# Altium PCB 控制板.PcbDoc (part 10 of 12)
Units mil, origin at the board's own origin, x right, y up, seen from the top; angles counter-clockwise.
Board outline 8150.4 x 2246.9 mil, 6 copper layers (TopLayer, MidLayer1, MidLayer2, MidLayer3, MidLayer4, BottomLayer); 1570 components, 853 nets, 4888 pads, 1859 vias.
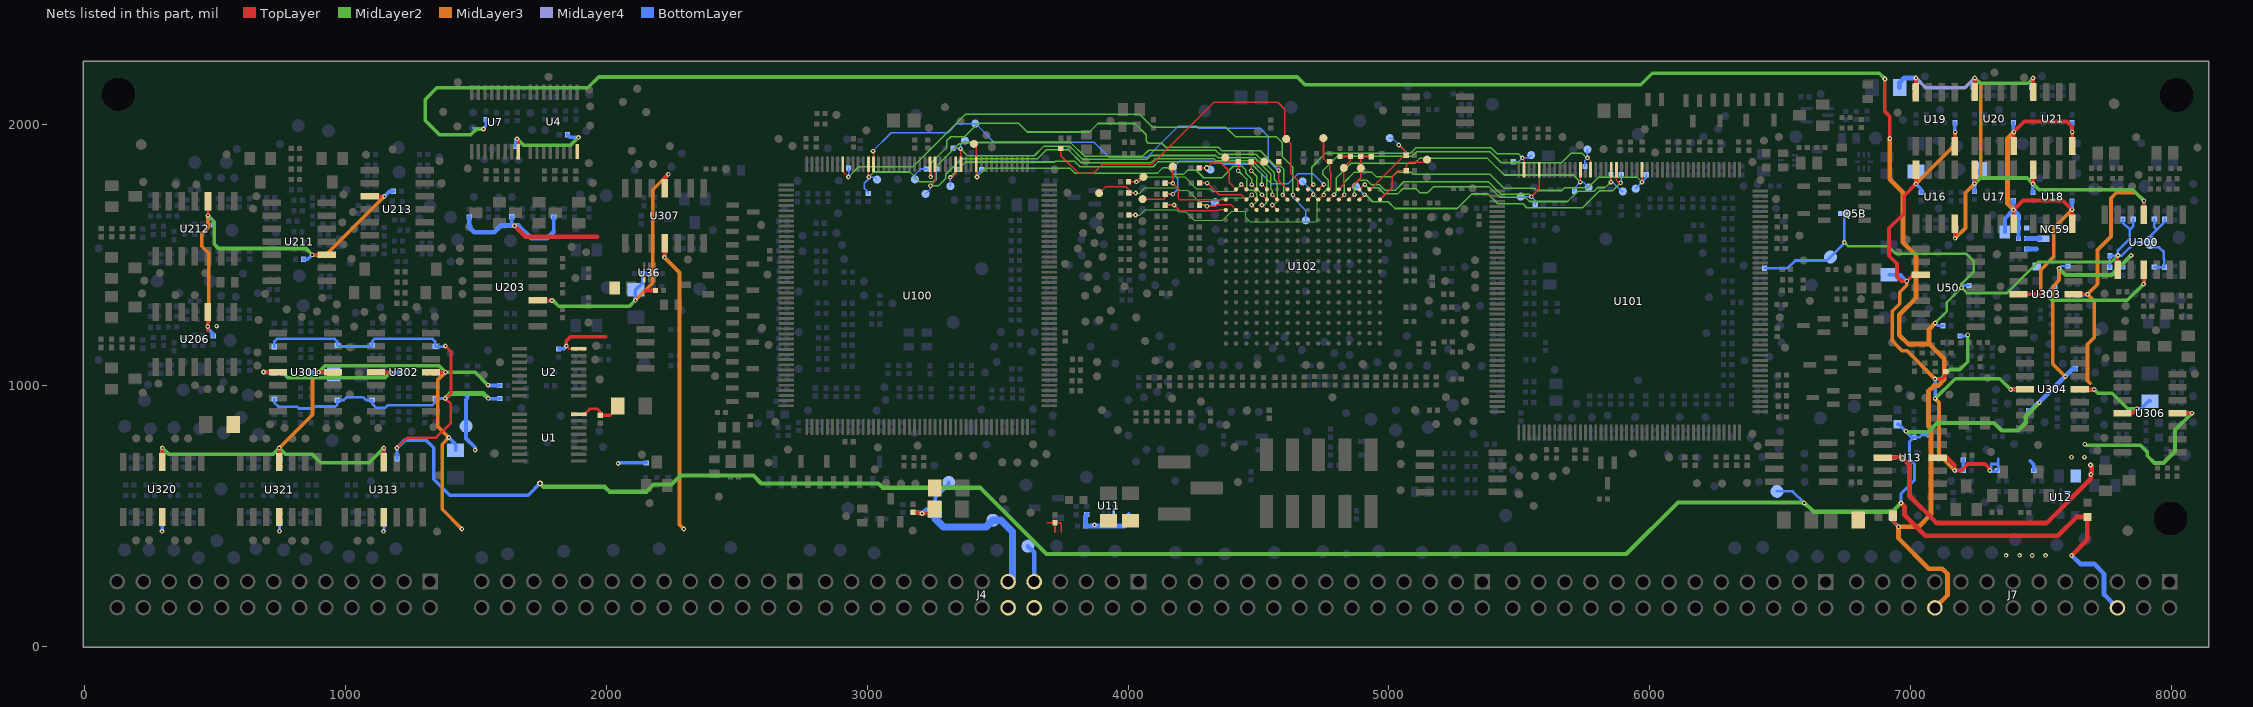
[diagram p14: the nets of this part, all layers, seen from the top]

## Via types
v1: diameter 18, hole 8, TopLayer to BottomLayer, tented both sides, 1737 vias
v2: diameter 20, hole 12, TopLayer to BottomLayer, tented both sides, 71 vias
v3: diameter 22, hole 12, TopLayer to BottomLayer, tented both sides, 51 vias

## Nets (pads, with @x,y where several pads share a name; then routed paths per layer and width w, separated by ;. In a path a pad name is that pad's centre, name@x,y a point inside that pad or via, vN(x,y) a via of type N, cw(c..) or ccw(c..) an arc to the next point about the centre after c; other vN are vias at no path point) (continued)
U102-P11_0: pad.88@3037.8,1789.6 R579.1 U100.164 U102.P11 | length 2061.1
  TopLayer w6: U100.164@3004.62,1848.5 3004.62,1800.68 v1(3006.1,1799.2) ; v1(4552.8,1692.1) U102.P11@4571.8,1673.31
  MidLayer2 w6: v1(3006.1,1799.2) 3025.7,1818.8 3163.6,1818.8 3200.3,1782.1 3252.7,1782.1 3263.6,1793 3263.6,1839.2 3350.5,1926.1 3360.9,1926.1 3366.7,1931.9 3779.5,1931.9 3831.8,1879.6 4056.9,1879.6 4079.4,1902.1 4334.9,1902.1 4350.3,1886.7 4490.7,1886.7 4560.3,1817.1 4560.3,1790.8 4571.5,1779.6 4571.5,1705.8 4557.8,1692.1 v1(4552.8,1692.1)
  BottomLayer w6: R579.1@3003.6,1736.7 3003.6,1741.8 2989,1756.4 2989,1775.5 3006.1,1792.6 v1(3006.1,1799.2) 3028.2,1799.2 pad.88@3037.8,1789.6
U102-P12_0: pad.84@3223.8,1734.6 R531.2 U100.151 U102.P12 | length 1767.4
  TopLayer w6: v1(3242.4,1765.9) 3260.52,1784.02 U100.151@3260.52,1848.5 ; v1(4513,1692.3) U102.P12@4532.43,1673.31
  MidLayer2 w6: v1(3242.4,1765.9) 3273.6,1765.9 3301.5,1793.8 3301.5,1810.4 3360.1,1869 3651.9,1869 3686.3,1903.4 3771.5,1903.4 3820.9,1854 4088.3,1854 4103.3,1869 4330.7,1869 4337.4,1862.3 4477.6,1862.3 4531.1,1808.8 4531.1,1700.4 4523,1692.3 v1(4513,1692.3)
  BottomLayer w6: pad.84@3223.8,1734.6 3242.4,1753.2 v1(3242.4,1765.9) 3264,1787.5 3264,1825.9 R531.2@3267.8,1829.7
U102-P13_0: pad.196@4372.8,1874.2 R128.2 U102.P13 | length 299.2
  TopLayer w6: pad.196@4372.8,1874.2 4389.2,1857.8 R128.2@4422.4,1857.8 4422.6,1857.6 v1(4422.6,1823.6) ; v1(4473.8,1691.9) U102.P13@4493.06,1673.31
  MidLayer2 w6: v1(4422.6,1823.6) 4454.4,1791.8 4454.4,1758.2 4464,1748.6 4481.1,1748.6 4492.8,1736.9 4492.8,1705.7 4479,1691.9 v1(4473.8,1691.9)
U102-P15_0: C301.2 pad.150@4333.6,1703.6 R132.2 U102.P15 | length 221.1
  TopLayer w6: R132.2@4273.6,1691.5 4298.4,1691.5 4303.2,1686.7 4334.1,1686.7 4340.4,1693 4394.63,1693 U102.P15@4414.32,1673.31
  BottomLayer w6: C301.2@4274.4,1691.3 4298.6,1691.3 v1(4302.6,1687.3) 4317.3,1687.3 pad.150@4333.6,1703.6
U102-P16_0: C311.2 R141.2 U102.P16 | length 276.9
  TopLayer w6: R141.2@4141.7,1691.5 4177.5,1691.5 4199,1670 4346.9,1670 4350.21,1673.31 U102.P16@4374.95,1673.31
  BottomLayer w6: C311.2@4143.3,1691.9 v1(4176.7,1691.9)
U102-R1_0: pad.204@5146.5,1865.9 R65.2 U102.R1 | length 280.7
  TopLayer w6: U102.R1@4965.5,1712.68 5013,1760.18 5013,1801.1 5035.7,1823.8 R65.2@5066.6,1823.8 5066.3,1824.1 5066.3,1844 5079,1856.7 5137.3,1856.7 pad.204@5146.5,1865.9
U102-R3_0: pad.181@4873.6,1763.8 R399.2 U101.69 U102.R3 | length 1254.5
  TopLayer w6: U102.R3@4886.76,1712.68 v1(4907.4,1731.7) ; U101.69@5872.16,1827.6 5872.16,1788.34 5883,1777.5 v1(5888.6,1777.5)
  MidLayer2 w6: v1(4907.4,1731.7) 4911.3,1731.7 4938.2,1704.8 4997.6,1704.8 5023.6,1678.8 5262,1678.8 5317.6,1734.4 5380.5,1734.4 5417.8,1697.1 5514.1,1697.1 5529.1,1682.1 5742.8,1682.1 5807,1746.3 5856.9,1746.3 5888.1,1777.5 v1(5888.6,1777.5)
  BottomLayer w6: pad.181@4873.6,1763.8 4905.7,1731.7 v1(4907.4,1731.7) ; v1(5888.6,1777.5) 5891.3,1780.2 R399.2@5891.3,1808.2
U102-R4_0: pad.167@5505.7,1724.2 R410.1 U101.84 U102.R4 | length 997.2
  TopLayer w6: U102.R4@4847.39,1712.68 v1(4868,1731.7) ; v1(5546.3,1723.8) 5576.88,1754.38 U101.84@5576.88,1827.6
  MidLayer2 w6: v1(4868,1731.7) 4868,1769.3 4885.4,1786.7 4916.5,1786.7 4933.2,1770 4964,1770 4984.8,1749.2 5025.2,1749.2 5057.3,1781.3 5382,1781.3 5429.9,1733.4 5537.4,1733.4 5546.3,1724.5 v1(5546.3,1723.8)
  BottomLayer w6: pad.167@5505.7,1724.2 5545.9,1724.2 5561.1,1709 R410.1@5561.1,1694.2
U102-R5_0: pad.170@5946.5,1754.6 R397.2 U101.64 U102.R5 | length 1424.9
  TopLayer w6: U102.R5@4808.02,1712.68 v1(4829.2,1731.5) ; v1(5970.5,1780) 5970.58,1780.08 U101.64@5970.58,1827.6
  MidLayer2 w6: v1(4829.2,1731.5) 4829.2,1779.3 4868.3,1818.4 4933.8,1818.4 4952.4,1799.8 5012.6,1799.8 5030.6,1817.8 5084.2,1817.8 5092.4,1809.6 5388.4,1809.6 5441.3,1756.7 5557.4,1756.7 5566.3,1747.8 5662.6,1747.8 5673,1758.2 5763.8,1758.2 5804.8,1799.2 5951.8,1799.2 5970.5,1780.5 v1(5970.5,1780)
  BottomLayer w6: pad.170@5946.5,1754.6 5946.5,1756.7 5986.5,1796.7 R397.2@5986.5,1808
U102-R6_0: pad.165@5766.1,1759.6 R401.1 U101.76 U102.R6 | length 1233.4
  TopLayer w6: U102.R6@4768.65,1712.68 v1(4789.9,1731.7) ; v1(5734,1780) 5734.36,1780.36 U101.76@5734.36,1827.6
  MidLayer2 w6: v1(4789.9,1731.7) 4797.8,1739.6 4797.8,1795 4855.3,1852.5 5099.2,1852.5 5117.6,1870.9 5378.2,1870.9 5442,1807.1 5706.9,1807.1 v1(5734,1780)
  BottomLayer w6: R401.1@5711.5,1744.6 5711.5,1757.5 v1(5734,1780) 5745.7,1780 pad.165@5766.1,1759.6
U102-R7_0: pad.164@5761.3,1905.3 R402.1 U101.74 U102.R7 | length 1341.1
  TopLayer w6: U102.R7@4729.28,1712.68 v1(4750.5,1731.3) ; v1(5761.5,1872.8) 5773.73,1860.57 U101.74@5773.73,1827.6
  MidLayer2 w6: v1(4750.5,1731.3) 4750.5,1740.3 4767.8,1757.6 4767.8,1787.6 4747.4,1808 4747.4,1824.3 4801.5,1878.4 5087.8,1878.4 5105.7,1896.3 5388.2,1896.3 5430.7,1853.8 5661.5,1853.8 5698.6,1890.9 5740.5,1890.9 5758.6,1872.8 v1(5761.5,1872.8)
  BottomLayer w6: R402.1@5751.9,1839.6 5751.9,1863.2 5761.3,1872.6 pad.164@5761.3,1905.3
U102-R8_0: C319.2 pad.151@4669,1782.5 R152.2 U102.R8 | length 1015.9
  TopLayer w6: R152.2@4003.6,1654.2 4028.6,1654.2 v1(4029,1653.8) ; U102.R8@4689.91,1712.68 v1(4710.5,1732.3)
  MidLayer2 w4: v1(4029,1653.8) 4045.3,1653.8 4065.5,1674 4186.1,1674 4193.6,1666.5 4222.2,1666.5 4254.3,1634.4 4363.4,1634.4 4397.8,1668.8 4445.5,1668.8 4452.1,1662.2 4452.1,1645.3 4468.6,1628.8 4721.1,1628.8 4725.9,1633.6 4725.9,1716.9 v1(4710.5,1732.3)
  BottomLayer w6: C319.2@4004,1653.8 v1(4029,1653.8) ; pad.151@4669,1782.5 4710.5,1741 v1(4710.5,1732.3)
U102-R9_0: pad.182@4681.5,1633.4 R586.2 U100.169 U102.R9 | length 2263.1
  TopLayer w6: U100.169@2906.19,1848.5 2906.19,1820.81 v1(2927.8,1799.2) ; v1(4632.1,1731.5) U102.R9@4650.54,1712.68
  MidLayer2 w6: v1(2927.8,1799.2) 2967.4,1838.8 3175.3,1838.8 3376.1,2039.6 4044.9,2039.6 4094,1990.5 4374.8,1990.5 4411.9,1953.4 4569.4,1953.4 4592.1,1930.7 4592.1,1876.8 4632.1,1836.8 v1(4632.1,1731.5)
  BottomLayer w6: v1(2927.8,1799.2) 2927.8,1801.3 2928.4,1801.9 R586.2@2928.4,1834.1 ; v1(4632.1,1731.5) 4632.1,1720.7 4681.5,1671.3 pad.182@4681.5,1633.4
U102-R10_0: pad.85@3183.2,1790.5 R532.2 U100.152 U102.R10 | length 1881.8
  TopLayer w6: U100.152@3240.84,1848.5 3240.84,1802.36 v1(3243.2,1800) ; v1(4592.8,1731.3) U102.R10@4611.17,1712.68
  MidLayer2 w6: v1(3243.2,1800) 3243.2,1851.3 3304.4,1912.5 3304.4,1938.1 3319.9,1953.6 3372.8,1953.6 3424.7,2005.5 3579.8,2005.5 3613.2,1972.1 3851.9,1972.1 3884.4,2004.6 4026.5,2004.6 4069.6,1961.5 4069.6,1937.4 4077.6,1929.4 4129.1,1929.4 4144.5,1914 4346.5,1914 4360.5,1900 4506.5,1900 4565.6,1840.9 4585.2,1840.9 4596.3,1829.8 4596.3,1734.8 v1(4592.8,1731.3)
  BottomLayer w6: pad.85@3183.2,1790.5 3183.2,1809.2 3204.1,1830.1 3229,1830.1 3243.2,1815.9 v1(3243.2,1800)
U102-R11_0: pad.76@3374.9,1939.2 R533.2 U100.146 U102.R11 | length 1508.4
  TopLayer w6: v1(3358,1908.2) 3358.95,1907.25 U100.146@3358.95,1848.5 ; v1(4553.4,1731.5) U102.R11@4571.8,1712.68
  MidLayer2 w6: v1(3358,1908.2) 3384.7,1881.5 3640.7,1881.5 3677.4,1918.2 3775.6,1918.2 3826.7,1867.1 4072.1,1867.1 4087.1,1882.1 4337,1882.1 4345.9,1873.2 4485.7,1873.2 4546.7,1812.2 4546.7,1754.9 4553.4,1748.2 v1(4553.4,1731.5)
  BottomLayer w6: R533.2@3329.4,1909.6 3356.6,1909.6 v1(3358,1908.2) 3358,1922.3 pad.76@3374.9,1939.2
U102-R12_0: pad.197@4522.4,1858.4 R127.2 U102.R12 | length 220.1
  TopLayer w6: v1(4472.4,1823.4) 4472.4,1857.8 4473,1858.4 pad.197@4522.4,1858.4 ; v1(4514,1731.5) U102.R12@4532.43,1712.68
  MidLayer2 w6: v1(4472.4,1823.4) 4493.6,1802.2 4493.6,1753.1 4514,1732.7 v1(4514,1731.5)
U102-R13_0: C321.2 pad.148@3889.4,1737.5 R150.2 U102.R13 | length 705.8
  TopLayer w6: pad.148@3889.4,1737.5 3889.4,1737.7 3913.2,1761.5 3993.4,1761.5 4002.9,1752 R150.2@4002.9,1738.4 4003.3,1738 v1(4029.2,1738) ; v1(4474.4,1731.5) U102.R13@4493.06,1712.68
  MidLayer2 w4: v1(4029.2,1738) 4045.1,1738 4064.6,1757.5 4188.3,1757.5 4197.4,1748.4 4228.6,1748.4 4270.7,1706.3 4348.6,1706.3 4362.3,1720 4462.9,1720 v1(4474.4,1731.5)
  BottomLayer w6: C321.2@4002.7,1738.8 4028.4,1738.8 v1(4029.2,1738)
U102-R14_0: C303.2 R130.2 U102.R14 | length 234.7
  TopLayer w6: R130.2@4274,1776.3 4303.6,1776.3 4348.4,1731.5 4434.87,1731.5 U102.R14@4453.69,1712.68
  BottomLayer w6: C303.2@4275,1776.3 4303.4,1776.3 v1(4303.6,1776.1)
U102-R16_0: C313.2 pad.195@4171.5,1839.2 R139.2 U102.R16 | length 373.3
  TopLayer w6: R139.2@4142.1,1775.5 4171.4,1775.5 v1(4171.9,1775) ; pad.195@4171.5,1839.2 4171.5,1775.9 4191.9,1755.5 4191.9,1718.9 4198.12,1712.68 U102.R16@4374.95,1712.68
  BottomLayer w6: C313.2@4143.1,1775.3 4171.6,1775.3 v1(4171.9,1775)
U102-T2_0: C35.1 pad.157@5003.2,1948.8 R453.2 U102.T2 | length 337.1
  TopLayer w6: U102.T2@4926.13,1752.05 4928.95,1752.05 5064.4,1887.5 5064.4,1896.1 v1(5038,1922.5)
  BottomLayer w6: pad.157@5003.2,1948.8 5012.4,1948.8 5067,1894.2 R453.2@5067,1883.8
U102-T3_0: pad.169@5897.1,1744 R400.2 U101.70 U102.T3 | length 1199.1
  TopLayer w6: U102.T3@4886.76,1752.05 v1(4907.8,1770.7) ; v1(5851.9,1779.6) 5852.47,1780.17 U101.70@5852.47,1827.6
  MidLayer2 w6: v1(4907.8,1770.7) 4919.7,1758.8 4960.5,1758.8 4984.5,1734.8 5033.2,1734.8 5053,1754.6 5104,1754.6 5119.2,1739.4 5148.3,1739.4 5171.7,1762.8 5384.4,1762.8 5426.1,1721.1 5523.4,1721.1 5539,1705.5 5685.3,1705.5 5725.1,1745.3 5787,1745.3 5800.9,1759.2 5830.4,1759.2 5850.8,1779.6 v1(5851.9,1779.6)
  BottomLayer w6: R400.2@5851.9,1808 5851.9,1785 5892.9,1744 pad.169@5897.1,1744
U102-T4_0: C36.1 pad.202@4892.4,1833.8 R121.2 U102.T4 | length 184.1
  TopLayer w6: U102.T4@4847.39,1752.05 4892.4,1797.06 4892.4,1876.8 4893.2,1877.6 R121.2@4932.8,1877.6
U102-T5_0: C37.1 pad.203@4827.4,1834.2 R122.2 U102.T5 | length 183.6
  TopLayer w6: U102.T5@4808.02,1752.05 4827.4,1771.43 4827.4,1835.7 4852.3,1860.6 4852.3,1878 R122.2@4813,1878
U102-T6_0: pad.200@4749.4,1948.8 R123.2 U102.T6 | length 219.7
  TopLayer w6: pad.200@4749.4,1948.8 4749.4,1870.1 4760.9,1858.6 4773.6,1858.6 4773.6,1822.6 4777.8,1818.4 4777.8,1761.2 U102.T6@4768.65,1752.05
U102-T7_0: C312.2 pad.150@4055.7,1715 R140.2 U102.T7 | length 954.1
  TopLayer w6: pad.150@4055.7,1715 4138.3,1715 4142.8,1719.5 4142.8,1732.5 4141.9,1733.4 v1(4171.9,1733.4) ; U102.T7@4729.28,1752.05 v1(4750.7,1770.7)
  BottomLayer w6: C312.2@4143.6,1733.4 4171.5,1733.4 4190.3,1752.2 4190.3,1793.3 4181.9,1801.7 4181.9,1843.8 4197.7,1859.6 4354.4,1859.6 4366,1848 4474.9,1848 4548.7,1774.2 4614,1774.2 4651.1,1811.3 4710.1,1811.3 v1(4750.7,1770.7)
U102-T8_0: pad.161@5545.7,1883.4 R412.2 U101.87 U102.T8 | length 1079.2
  TopLayer w6: U102.T8@4689.91,1752.05 v1(4710.7,1770.7) ; v1(5511.9,1873) 5517.83,1867.07 U101.87@5517.83,1827.6
  MidLayer2 w6: v1(4710.7,1770.7) 4704,1777.4 4704,1837.1 4757.2,1890.3 5082.8,1890.3 5105,1912.5 5390.4,1912.5 5413.7,1889.2 5495.7,1889.2 v1(5511.9,1873)
  BottomLayer w6: R412.2@5477.3,1858.4 5497.3,1858.4 v1(5511.9,1873) 5535.3,1873 pad.161@5545.7,1883.4
U102-T9_0: pad.198@4606.5,1945.5 R159.1 U102.T9 | length 1365
  TopLayer w6: R159.1@3742.4,1908.8 3742.4,1881.1 3808.9,1814.6 3869,1814.6 3903.4,1849 4093,1849 4329.9,2085.9 4574.4,2085.9 4600.9,2059.4 4600.9,1950.5 4623.6,1927.8 4623.6,1813 4650.54,1786.06 U102.T9@4650.54,1752.05
U102-T10_0: pad.77@3414.4,2004.2 R125.2 U100.163 U102.T10 | length 1996.4
  TopLayer w6: v1(3021.9,1898.8) 3024.31,1896.4 U100.163@3024.31,1848.5 ; R125.2@4577.6,1858.4 4577.6,1785.62 U102.T10@4611.17,1752.05
  BottomLayer w6: v1(3021.9,1898.8) 3092.3,1969.2 3308.6,1969.2 3343.6,2004.2 3414.8,2004.2 3485.6,1933.4 3869,1933.4 3926.5,1875.9 4074.4,1875.9 4191.9,1993.4 4263.4,1993.4 4270.7,1986.1 4506.5,1986.1 4537.4,1955.2 4537.4,1864 v1(4577.6,1823.8)
U102-T12_0: pad.83@3319,1764.6 R529.2 U100.147 U102.T12 | length 1459
  TopLayer w6: v1(3318.6,1798.4) 3325.7,1798.4 3339.26,1811.97 U100.147@3339.26,1848.5 ; v1(4513.2,1770.7) U102.T12@4532.43,1752.05
  MidLayer2 w6: v1(3318.6,1798.4) 3377.3,1857.1 3718.6,1857.1 3721.8,1860.3 3795.2,1860.3 3816.3,1839.2 4096.5,1839.2 4114.8,1857.5 4323.4,1857.5 4329,1851.9 4470.7,1851.9 4513.2,1809.4 v1(4513.2,1770.7)
  BottomLayer w6: pad.83@3319,1764.6 3319,1796.7 3343.2,1820.9 R529.2@3343.2,1828.8
U102-T13_0: pad.142@3409.4,1926.3 R526.2 U100.143 U102.T13 | length 1374.2
  TopLayer w6: pad.142@3409.4,1926.3 3418,1917.69 U100.143@3418,1848.5 3418,1801.9 v1(3420.7,1799.2) ; v1(4474.2,1770.3) U102.T13@4493.06,1752.05
  MidLayer2 w6: v1(3420.7,1799.2) 3454.5,1833 3777.4,1833 3795.8,1814.6 4113.2,1814.6 4134.1,1835.5 4151,1835.5 4176.9,1809.6 4212.4,1809.6 4227.8,1825 4262,1825 4290.3,1796.7 4359.9,1796.7 4403.9,1840.7 4436.5,1840.7 4450.9,1826.3 4450.9,1814.8 4474.2,1791.5 v1(4474.2,1770.3)
  BottomLayer w6: v1(3420.7,1799.2) 3420.7,1810.1 R526.2@3439.2,1828.6
U102-T14_0: pad.147@4059,1800 R149.2 U102.T14 | length 535.4
  TopLayer w6: R149.2@4002.1,1781.1 4031.5,1781.1 4043.2,1792.8 4051.8,1792.8 pad.147@4059,1800 ; v1(4434.4,1770.7) U102.T14@4453.69,1752.05
  MidLayer2 w4: v1(4031.7,1780.9) 4043.9,1780.9 4062.8,1799.8 4217,1799.8 4262,1754.8 4314.9,1754.8 4324.7,1745 4408.7,1745 v1(4434.4,1770.7)
U102-T15_0: C304.2 pad.148@4316.1,1828 R129.2 U102.T15 | length 262.8
  TopLayer w6: R129.2@4272.3,1834 4302.6,1834 4322.4,1853.8 4355.9,1853.8 4388,1821.7 4388,1778.37 U102.T15@4414.32,1752.05
  BottomLayer w6: C304.2@4273.6,1834.2 4309.9,1834.2 pad.148@4316.1,1828
  other v3: 4301.7,1834
V1: C5.1 C135.1 C153.1 C161.1 J7.6 NC37.2 NC38.2 NC42.1 NC59.1 R271.2 R281.2 R284.2 R291.2 R304.1 R604.2 R647.2 R649.1 R650.1 R657.1 R663.1 R718.1 R725.1 R726.2 R733.2 TP14.1 | length 12212.8
  TopLayer w10: v1(1196.5,760.5) 1197.8,760.5 1237.8,800.5 1347.4,800.5 1404,857.1 1404,928.4 v1(1381.9,950.5) 1384.5,950.5 1404.4,970.4 1404.4,1129.3 v1(1382.4,1151.3)
  TopLayer w18: v1(6963.8,549.4) 6977.4,535.8 6977.4,503.3 7056.9,423.8 7564.4,423.8 7636.5,495.9 C5.1@7678.2,495.9 7678.2,408.8 v1(7617.8,348.4)
  MidLayer2 w16: v3(1745.9,625) 1759.2,611.7 1993.6,611.7 2012.3,593 2154.1,593 2181.1,620 2250.2,620 2285.2,655 2563.7,655 2593.7,625 3042.4,625 3059,608.4 3433.2,608.4 3687.8,353.8 5910.2,353.8 6108.5,552.1 6592,552.1 6627.8,516.3 6930.7,516.3 v1(6963.8,549.4) ; v1(6982.4,824.8) 6985.1,822.1 7066.9,822.1 7101.5,856.7 7320.2,856.7 7349.8,827.1 7411.5,827.1 7441.9,857.5 7441.9,882.1 v1(7494,934.2) ; v1(7569.4,1449.2) 7594.4,1424.2 7771.5,1424.2 v1(7846.1,1498.8)
  MidLayer2 w18: v1(1381.9,950.5) 1400.6,969.2 1528.6,969.2 v1(1546.9,950.9)
  MidLayer3 w14: v1(7569.4,1449.2) 7569.4,1403.3 7545.3,1379.2 7545.3,1082.9 v1(7593.6,1034.6)
  BottomLayer w8: v1(7569.4,1449.2) 7578.9,1458.7 R284.2@7604.4,1458.7
  BottomLayer w10: R725.1@726.5,948.8 726.5,934.7 742,919.2 813.6,919.2 820.7,912.1 877.4,912.1 884.9,919.6 960.7,919.6 968.2,927.1 R718.1@968.2,943.8 992.8,943.8 1003.6,954.6 1068.2,954.6 1078.6,944.2 R657.1@1101.9,944.2 1101.9,930.9 1118.2,914.6 1151.9,914.6 1162.3,925 1332.8,925 1344,936.2 R649.1@1344,949.6 1344.9,950.5 v1(1381.9,950.5) ; R733.2@726.6,1148.8 726.6,1169.2 736.2,1178.8 958.2,1178.8 968.1,1168.9 R726.2@968.1,1154.2 972.7,1149.6 1097,1149.6 R663.1@1102.4,1155 1102.4,1170.1 1111.1,1178.8 1333.6,1178.8 1343.6,1168.8 R650.1@1343.6,1149.2 1380.3,1149.2 v1(1382.4,1151.3) ; TP14.1@6488.2,594.2 6547.8,594.2 v1(6592.8,549.2) ; NC42.1@7013.6,802.1 7034.9,802.1 7043.3,810.5 R304.1@7071.1,810.5
  BottomLayer w12: v1(1196.5,760.5) 1197.4,759.6 R647.2@1197.4,719.2 ; C153.1@6950.5,851.7 6954.5,851.7 7004.1,802.1 NC42.1@7013.6,802.1 6996.1,784.6 6996.1,717.5 7015.9,697.7 7015.9,637.8 6963.8,585.7 v1(6963.8,549.4)
  BottomLayer w14: v1(1196.5,760.5) 1225.6,789.6 1309.8,789.6 1337.8,761.6 1337.8,641.2 1399.8,579.2 1700.1,579.2 v3(1745.9,625) ; v1(1546.9,950.9) 1547.8,950 R604.2@1591.2,950 ; R281.2@7814,1454.2 7814,1466.7 v1(7846.1,1498.8)
  BottomLayer w18: NC38.2@7444.8,1563.8 NC59.1@7497,1563.8 ; C161.1@7445.3,1523.8 7484.5,1523.8 ; R291.2@7453.6,904.2 7460.3,904.2 7490.3,934.2 7492.4,934.2 7622.4,1064.2 R271.2@7632.8,1064.2 ; v1(7617.8,348.4) 7650.3,315.9 7704.4,315.9 7741.9,278.4 7741.9,199.2 J7.6@7793.6,147.5
V2: C30.2 C108.2 C109.2 C111.1 C114.2 C115.2 C117.2 C118.2 C497.2 J7.20 Q5B.3 R282.2 R314.2 R315.2 R358.2 R635.1 TP15.1 TP316.1 U300.2 | length 11597.7
  TopLayer w10: U300.2@7794.33,1444.2 7794.33,1497.83 v1(7795.3,1498.8)
  TopLayer w12: C30.2@6932.8,500.9 6932.8,479.8 v1(6954,458.6)
  TopLayer w14: v1(6901.9,2175) 6901.9,2050.9 6920.9,2031.9 v1(6920.9,1947.1)
  MidLayer2 w10: v1(6746.5,1549.2) 6761.1,1534.6 6914.5,1534.6 6944.5,1504.6 7214.5,1504.6 7243.2,1475.9 7243.2,1437.6 7195.7,1390.1 v1(7195.7,1375) ; v1(7094.9,1240) 7139,1284.1 7139,1318.3 v1(7195.7,1375) ; v1(7795.3,1498.8) 7770.3,1473.8 7489,1473.8 7369.8,1354.6 7216.1,1354.6 v1(7195.7,1375)
  MidLayer2 w14: v1(1528.6,1983.4) 1501.6,1983.4 1479.9,1961.7 1359.9,1961.7 1306.1,2015.5 1306.1,2097.9 1349.5,2141.3 1928.6,2141.3 1970.3,2183 4649,2183 4678.6,2153.4 5965.7,2153.4 6009.4,2197.1 6879.8,2197.1 v1(6901.9,2175)
  MidLayer3 w18: v1(6920.9,1947.1) 6920.9,1791.5 6971.1,1741.3 6971.1,1549.6 7021.1,1499.6 7021.1,1335.4 6956.9,1271.2 6956.9,1193.4 6991.1,1159.2 7072.8,1159.2 7129.9,1102.1 7129.9,1023.4 7106.5,1000 7090.2,1000 7069.4,979.2 7069.4,844.2 7078.6,835 7078.6,506.3 7030.9,458.6 v1(6954,458.6) 6954,414.3 7070.3,298 7121.9,298 7141.9,278 7141.9,195.8 J7.20@7093.6,147.5 ; 7071.1,1160.5 7071.1,1216.2 v1(7094.9,1240)
  BottomLayer w10: 1489,1988 1493.6,1983.4 1526.1,1983.4 1538.2,1995.5 R635.1@1538.2,2020.5 ; R358.2@6440.6,1449.8 6529.2,1449.8 6558.6,1479.2 6679,1479.2 6746.3,1546.5 Q5B.3@6746.3,1659.15 ; v1(7094.9,1240) 7105.3,1229.6 R315.2@7124.5,1229.6 ; v1(7195.7,1375) 7204.5,1383.8 R314.2@7224.1,1383.8 ; R282.2@7764,1453.7 7764,1497.6 7809.5,1497.6 7861.1,1549.2 TP15.1@7919,1549.2 ; v1(7795.3,1498.8) 7795.3,1518.4 7840.7,1563.8 7840.7,1597.5 ; C118.2@7814.9,1637.6 7814.9,1623.3 7840.7,1597.5 ; C117.2@7854.4,1637.6 7854.4,1611.2 7840.7,1597.5 ; C109.2@7934.4,1454.2 7973.1,1454.2 C108.2@7973.6,1453.7 7973.6,1483.4 7971.1,1485.9 7971.1,1512.5 7953.6,1530 7938.2,1530 TP15.1@7919,1549.2 ; C115.2@7934.4,1638 7934.4,1607.6 7944,1598 ; C114.2@7974.4,1637.6 7974.4,1627.5 7919,1572.1 TP15.1@7919,1549.2
  BottomLayer w14: C497.2@6929.9,504.2 6929.9,482.7 v1(6954,458.6)
V+: C31.2 C44.1 C45.1 C58.2 C59.2 C60.1 C64.1 C101.2 C110.1 C124.2 C133.1 C137.2 C152.2 C157.1 C160.1 C162.2 C167.1 C168.2 C169.2 C171.2 C176.2 C181.2 C364.2 C368.1 C377.1 C383.2 C397.2 C398.2 C409.1 C420.2 C433.2 C440.1 C453.2 C456.2 C470.1 C477.1 C484.1 J4.9 J4.10 NC1.2 NC2.1 NC12.2 NC37.1 NC38.1 NC50.2 NC53.2 NC54.2 NC70.1 NC71.2 R41.2 R268.1 R296.2 R300.2 R311.2 R597.2 R621.1 R624.1 R627.1 R637.1 TP1102.1 TP1105.1 U1.16 U2.16 U4.16 U7.16 U11.4 U12.4 U13.4 U16.8 U17.8 U18.8 U19.8 U20.8 U21.8 U36.4 U50.3 U203.3 U206.3 U211.3 U212.3 U213.3 U300.4 U301.4 U302.4 U303.4 U304.4 U306.4 U307.4 U313.4 U320.4 U321.4 | length 12657.9
  TopLayer w6: 3690.9,473.8 NC70.1@3720.3,473.8 3740.3,473.8 3743.8,470.3 3743.8,438.4
  TopLayer w8: v1(1846.5,1151.7) 1857.7,1140.5 U2.16@1894,1140.5 ; 3720.3,438.9 NC70.1@3720.3,473.8
  TopLayer w10: v1(1657.4,1945.9) 1662.8,1940.5 U7.16@1662.8,1896.3 ; U1.16@1894,890 1916,890 1936.9,910.9 1965.1,910.9 1976.1,899.9 C60.1@1976.1,886.3
  TopLayer w12: U212.3@472.53,1706.3 472.53,1651.57 v1(472.8,1651.3) ; U213.3@1093.2,1725.63 1147.97,1725.63 v1(1148.6,1725) ; C60.1@1976.1,886.3 2015.5,886.3 ; v1(7094.4,1025.5) 7120.8,1025.5 7134.9,1039.6 R41.2@7134.9,1054.3
  TopLayer w14: 472.03,1211.83 U206.3@472.03,1282.1 ; v1@687.2,1051.1 U301.4@740.7,1051.1 ; v1(872.4,1501.3) 872.53,1501.17 U211.3@927.4,1501.17 ; U302.4@1116.9,1051.5 1171.8,1051.5 v1(1172.4,1050.9) ; U203.3@1736.9,1326.57 1790.83,1326.57 v1(1791.5,1325.9) ; v1(1846.5,1151.7) 1846.5,1170.4 1862.8,1186.7 1997.4,1186.7 ; 2149.4,1364.2 NC71.2@2187.8,1364.2 ; U307.4@2223,1756.7 2223,1795.6 v1(2237.4,1810) ; U16.8@7021.1,1827.2 7021.1,1773.4 6975.7,1728 6975.7,1660.9 6917.8,1603 6917.8,1497.1 6948.2,1466.7 6948.2,1415.9 6964.1,1400 6986.1,1400 7010.83,1424.73 U50.3@7039.4,1424.73 ; U13.4@7104.4,724 7140.5,724 7169.4,695.1 v1(7169.4,674.6) 7170.2,673.8 7194.4,673.8 7219.8,699.2 7285.3,699.2 7304,680.5 v1(7304,674.6) ; U19.8@7170.3,1917.5 7170.3,1970.5 v1(7171.5,1971.7) ; v1(7384,984.6) 7384.6,985.2 U304.4@7438.6,985.2 ; U17.8@7395.3,1620.4 7395.3,1673.4 7431.1,1709.2 7584,1709.2 7619.4,1673.8 U18.8@7619.4,1620.4 ; U20.8@7395.3,1918.8 7395.3,1971.7 7435.7,2012.1 7599.5,2012.1 7619.9,1991.7 U21.8@7619.9,1918.8 ; U303.4@7414.4,1349.8 7496,1349.8 ; v1(7894,1389.2) 7894.2,1389.4 U300.4@7894.2,1444.2 ; U306.4@8024,894 8079.2,894 v1(8079.4,894.2)
  TopLayer w16: v1(1647.4,1612.5) 1689.4,1570.5 1966.5,1570.5
  MidLayer2 w14: v1(472.8,1651.3) 496.1,1628 496.1,1542.6 513.2,1525.5 848.2,1525.5 v1(872.4,1501.3) ; v1(685.7,1052.1) 756.1,1052.1 778.2,1030 1151.5,1030 v1(1172.4,1050.9) ; v1(1657.4,1945.9) 1682.4,1920.9 1862,1920.9 v1(1892.8,1951.7) ; v1(1791.5,1325.9) 1795,1325.9 1817.1,1303.8 2088.2,1303.8 v1(2111.1,1326.7) ; v1(7094.4,949.6) 7171.1,1026.3 7342.3,1026.3 v1(7384,984.6) ; v1(7094.4,1025.5) 7116.1,1025.5 7151.9,1061.3 7189,1061.3 7219.4,1091.7 v1(7219.4,1194.6) ; v1(7518.2,1350) 7541.5,1326.7 7831.5,1326.7 v1(7894,1389.2) ; v1(7668.2,775) 7672.7,770.5 7882.4,770.5 7907.8,745.1 7907.8,730.8 7935.6,703 7970.3,703 8014.4,747.1 8014.4,829.2 v1(8079.4,894.2)
  MidLayer3 w14: v1(472.8,1651.3) 472.8,1605.5 449,1581.7 449,1534.2 476.1,1507.1 476.1,1247.1 ; v1(872.4,1501.3) 924.9,1501.3 v1(1148.6,1725) ; v1(2111.1,1326.7) 2178.2,1393.8 2178.2,1750.8 v1(2237.4,1810) ; v1(6985.5,1400) 6985.5,1384 6959,1357.5 6959,1314.1 6929.9,1285 6929.9,1170.4 6967.3,1133 6986.9,1133 v1(7094.4,1025.5) ; v1(7020.7,1773.4) 7171.5,1924.2 v1(7171.5,1971.7) ; v1(7094.4,949.6) 7109.4,934.6 7109.4,734.6 v1(7169.4,674.6) ; v1(7518.2,1350) 7499,1369.2 7499,1443.3 7549.4,1493.7 7549.4,1604.2 v1(7619.4,1674.2)
  MidLayer3 w18: v1(7395.3,1673.8) 7371.9,1697.2 7371.9,1947.5 v1(7396.1,1971.7)
  BottomLayer w10: v1@7300.7,675.8 7306,670.5 7329.1,670.5 R296.2@7332.4,673.8 7336.5,677.9 7336.5,718.4 ; v1@7310.3,672.1 7310.3,699.2 7336.1,699.2
  BottomLayer w12: v1(746.5,441.3) 747.4,442.2 C433.2@747.4,477.6 ; v1(1145.7,440.9) 1147.8,443 C409.1@1147.8,478.4 ; R311.2@7189.4,1190 7214.8,1190 v1(7219.4,1194.6) ; v1(7518.2,1350) 7546.6,1378.4 C133.1@7553.6,1378.4
  BottomLayer w14: v1@296.9,441.3 C440.1@296.9,478.4 ; v1(471.5,1226.3) 471.5,1218.9 492.4,1198 C456.2@492.4,1189.6 ; v1(472.8,1651.3) 492.4,1631.7 C484.1@492.4,1615.9 ; v1(685.7,1052.1) 689.4,1048.4 C453.2@726.2,1048.4 ; C477.1@839,1483.8 854.9,1483.8 v1(872.4,1501.3) ; v1(1148.6,1725) 1168.6,1745 C470.1@1182.8,1745 ; v1(1172.4,1050.9) 1173.7,1049.6 C420.2@1207,1049.6 ; R637.1@1466.5,968.4 1466.5,950.4 1461.9,945.8 1461.9,797.1 1496.9,762.1 v1(1496.9,752.5) ; 1637.4,1615.8 R624.1@1637.4,1647.1 ; C398.2@1653.6,1917.1 1653.6,1942.1 v1(1657.4,1945.9) ; C383.2@1753.1,1325.5 1791.1,1325.5 v1(1791.5,1325.9) ; R621.1@1797.8,1646.7 1798.2,1646.3 1798.2,1589.6 ; C377.1@1816.9,1140.5 1835.3,1140.5 v1(1846.5,1151.7) ; C397.2@1850.6,1961.7 1860.6,1951.7 v1(1892.8,1951.7) ; v1(2045.3,700.9) 2047.8,703.4 R597.2@2153.2,703.4 ; v1(2111.1,1326.7) 2111.1,1365.9 2139.4,1394.2 NC1.2@2139.4,1430 NC2.1@2182.8,1430 ; C368.1@2223.6,1771.3 2223.6,1796.2 v1(2237.4,1810) ; C168.2@6918.2,1425.3 6960.2,1425.3 v1(6985.5,1400) 7010.1,1424.6 C152.2@7024.5,1424.6 ; v1@7021.9,1772.2 7041.1,1753 C167.1@7041.1,1740 ; v1(7094.4,949.6) v1(7094.4,1025.5) ; v1(7169.4,674.6) 7201.6,674.6 7202.4,673.8 NC53.2@7202.4,714.6 ; C181.2@7170.3,2007.2 7170.3,1972.9 v1(7171.5,1971.7) ; v1(7384,984.6) C137.2@7422.8,984.6 ; C176.2@7394.4,2007.2 7394.4,1973.4 v1(7396.1,1971.7) ; 7459,710.5 7472.4,697.1 R268.1@7472.4,674.2 ; C171.2@7619,2007.2 7619,1972.6 v1(7620.3,1971.3) ; v1(7619.4,1674.2) C157.1@7619.4,1708 ; v1(7894,1389.2) 7894.4,1389.6 C110.1@7894.4,1422.1 ; C101.2@8038.6,893.8 8079,893.8 v1(8079.4,894.2)
  BottomLayer w16: v1@7021.9,1772.2 C169.2@7021.9,1820.7 ; C162.2@7361.9,1589.2 7361.9,1640.4 7394,1672.5 C160.1@7394,1708.4 ; v1(7395.3,1673.8) 7413.6,1655.5 NC38.1@7413.6,1563.8
  BottomLayer w18: R627.1@1474.4,1645.9 1474.4,1607.6 1494,1588 1570.3,1588 1595.7,1613.4 1662.7,1613.4 1711.5,1564.6 1773.2,1564.6 1798.2,1589.6 ; TP1105.1@3616.1,384.2 3640.3,360 J4.9@3640.3,248 ; NC12.2@3841.7,505.5 3837.1,500.9 NC50.2@3837.1,461.1 3988,461.1 4003.2,476.3 4003.2,505.9
  other v1: 7466.9,348.4 7366.9,348.8 7418.6,348.8 7517.8,348.8 296.5,440.9 3871.1,465.9 7617.4,725 7667.4,725.5 505.7,1227.5
V-: C47.2 C48.2 C103.1 C104.2 C116.1 C127.1 C131.2 C154.1 C159.2 C163.2 C165.1 C175.1 C180.1 C185.1 C189.2 C323.1 C366.1 C380.2 C414.1 C418.1 C434.1 C444.1 C446.2 C451.1 J4.11 J4.12 NC52.1 R167.2 R541.1 R605.2 TP1103.1 TP1107.1 U13.11 U16.4 U17.4 U18.4 U19.4 U20.4 U21.4 U300.11 U301.11 U302.11 U303.11 U304.11 U306.11 U307.11 U313.11 U320.11 U321.11 | length 10532.9
  TopLayer w10: U300.11@7894.2,1655 7894.2,1707.7 v1(7894.9,1708.4)
  TopLayer w14: U320.11@296.7,707.1 296.7,760.6 v1(297.4,761.3) ; U321.11@745.5,706.7 745.5,760.7 v1(745.7,760.9) ; v1(896.5,1050.9) 896.7,1051.1 U301.11@951.5,1051.1 ; U313.11@1146.3,705.8 1146.3,759.9 v1(1146.9,760.5) ; U302.11@1327.7,1051.5 1382.2,1051.5 v1(1382.8,1050.9) ; v1(2222.4,1491.3) 2223,1491.9 U307.11@2223,1545.9 ; R167.2@3175.3,513.8 3194.5,513.8 3199.1,509.2 3221.5,509.2 ; U13.11@6893.6,724 v1@6969.2,724 ; v1(7020.7,2179.2) 7020.9,2179 U19.4@7020.9,2124.2 ; U16.4@7170.5,1620.5 7170.5,1564.8 v1(7171.1,1564.2) ; v1(7245.7,1774.2) 7245.9,1774.4 U17.4@7245.9,1827.1 ; U20.4@7245.9,2125.5 7245.9,2178.6 v1(7246.5,2179.2) ; v1(7469.9,1773.4) 7470,1773.5 U18.4@7470,1827.1 ; v1(7470.3,2178.8) 7470.5,2178.6 U21.4@7470.5,2125.5 ; U303.11@7625.2,1349.8 7678.4,1349.8 v1(7678.6,1349.6) ; U304.11@7649.4,985.2 7649.6,985 v1(7704.4,985) ; U306.11@7813.2,894 7851.7,894 v1(7868.6,910.9)
  TopLayer w18: v1@6969.2,724 6996.1,697.1 6996.1,576.7 7099.8,473 7522.4,473 7691.5,642.1 v1(7691.5,659.2) 7694.4,662.1 7694.4,691.4 v1(7690.3,695.5)
  MidLayer2 w12: v1(7246.5,2179.2) 7266.9,2158.8 7450.3,2158.8 v1(7470.3,2178.8)
  MidLayer2 w14: v1(297.4,761.3) 322.8,735.9 720.7,735.9 v1(745.7,760.9) 770.7,735.9 873.2,735.9 905.3,703.8 1090.2,703.8 v1(1146.9,760.5) ; v1(896.5,1050.9) 921.1,1075.5 1358.2,1075.5 v1(1382.8,1050.9) 1496.9,1050.9 v1(1546.5,1001.3) ; v1(7245.7,1774.2) 7267.4,1795.9 7447.4,1795.9 7492.4,1750.9 7852.4,1750.9 v1(7894.9,1708.4) ; v1(7704.4,985) 7718.9,970.5 7773.6,970.5 7833.2,910.9 v1(7868.6,910.9)
  MidLayer3 w14: v1(745.7,760.9) 873.2,888.4 873.2,1027.6 v1(896.5,1050.9) ; v1(1382.8,1050.9) 1352.8,1020.9 1352.8,844.2 v1(1396.1,800.9) 1370.3,775.1 1370.3,525.4 v1(1445.7,450) ; v1(2222.4,1491.3) 2280.3,1433.4 2280.3,465.8 v1(2296.5,449.6) ; v1(7171.1,1564.2) 7210.7,1603.8 7210.7,1739.2 7269.9,1798.4 7269.9,2155.8 v1(7246.5,2179.2) ; 7688.6,1008.8 7678.6,1018.8 7678.6,1158 7704.4,1183.8 7704.4,1323.8 v1(7678.6,1349.6) 7716.9,1387.9 7716.9,1519.6 7768.6,1571.3 7768.6,1718.4 7789.4,1739.2 7864.1,1739.2 v1(7894.9,1708.4)
  MidLayer4 w14: v1(7020.7,2179.2) 7058.6,2141.3 7208.6,2141.3 v1(7246.5,2179.2)
  BottomLayer w12: v1(745.7,760.9) 747.4,759.2 C434.1@747.4,718.8 ; v1(7171.1,1564.2) 7174.9,1568 C154.1@7174.9,1603.4 ; C116.1@7894.9,1668.4 v1(7894.9,1708.4)
  BottomLayer w14: C444.1@296.9,718 296.9,760.8 v1(297.4,761.3) ; C451.1@867.8,1049.2 954.7,1049.2 C446.2@955.1,1048.8 ; v1(1146.9,760.5) 1147.8,759.6 C414.1@1147.8,718.8 ; C418.1@1343.6,1048.8 1380.7,1048.8 v1(1382.8,1050.9) ; v1(1396.1,800.9) 1421.9,775.1 C380.2@1421.9,752.3 ; v1(1546.5,1001.3) 1547.8,1000 R605.2@1591.2,1000 ; v1(2222.4,1491.3) 2223.2,1492.1 C366.1@2223.2,1535 ; R541.1@3176.9,513.4 3206.3,513.4 v1(3210.3,509.4) 3225.5,524.6 C323.1@3260.7,524.6 3260.7,569.7 3313.2,622.2 TP1103.1@3313.2,628.4 ; NC52.1@6934.4,724.6 6968.6,724.6 v1(6969,724.2) ; C185.1@7015.3,2143 7020.7,2148.4 v1(7020.7,2179.2) ; C180.1@7239.9,2142.5 7239.9,2172.6 v1(7246.5,2179.2) ; C175.1@7463.6,2143.4 7463.6,2172.1 v1(7470.3,2178.8) ; C159.2@7469.4,1739.6 7469.4,1772.9 v1(7469.9,1773.4) ; C131.2@7639,1348.4 7677.4,1348.4 v1(7678.6,1349.6) ; C127.1@7663.6,983.8 7703.2,983.8 v1(7704.4,985) ; C104.2@7829,894.2 7851.9,894.2 v1(7868.6,910.9) 7884,910.9 7913.6,940.5 C103.1@7918.2,940.5
  BottomLayer w16: C165.1@7245.3,1744.2 v1@7245.3,1773.8
  BottomLayer w18: C189.2@6958,2142.5 6958,2161.5 6975.7,2179.2 v1(7020.7,2179.2) ; v1@7245.3,1773.8 7245.3,1802.7 C163.2@7266.8,1824.2
  BottomLayer w28: C323.1@3260.7,524.6 3260.7,488.8 3291.5,458 3456.2,458 3481.6,483.4 3513.2,483.4 3557.4,439.2 3557.4,265.1 J4.11@3540.3,248